# Altium PCB Copy of DIOT_SMA16_.PcbDoc (part 5 of 6) (continued)
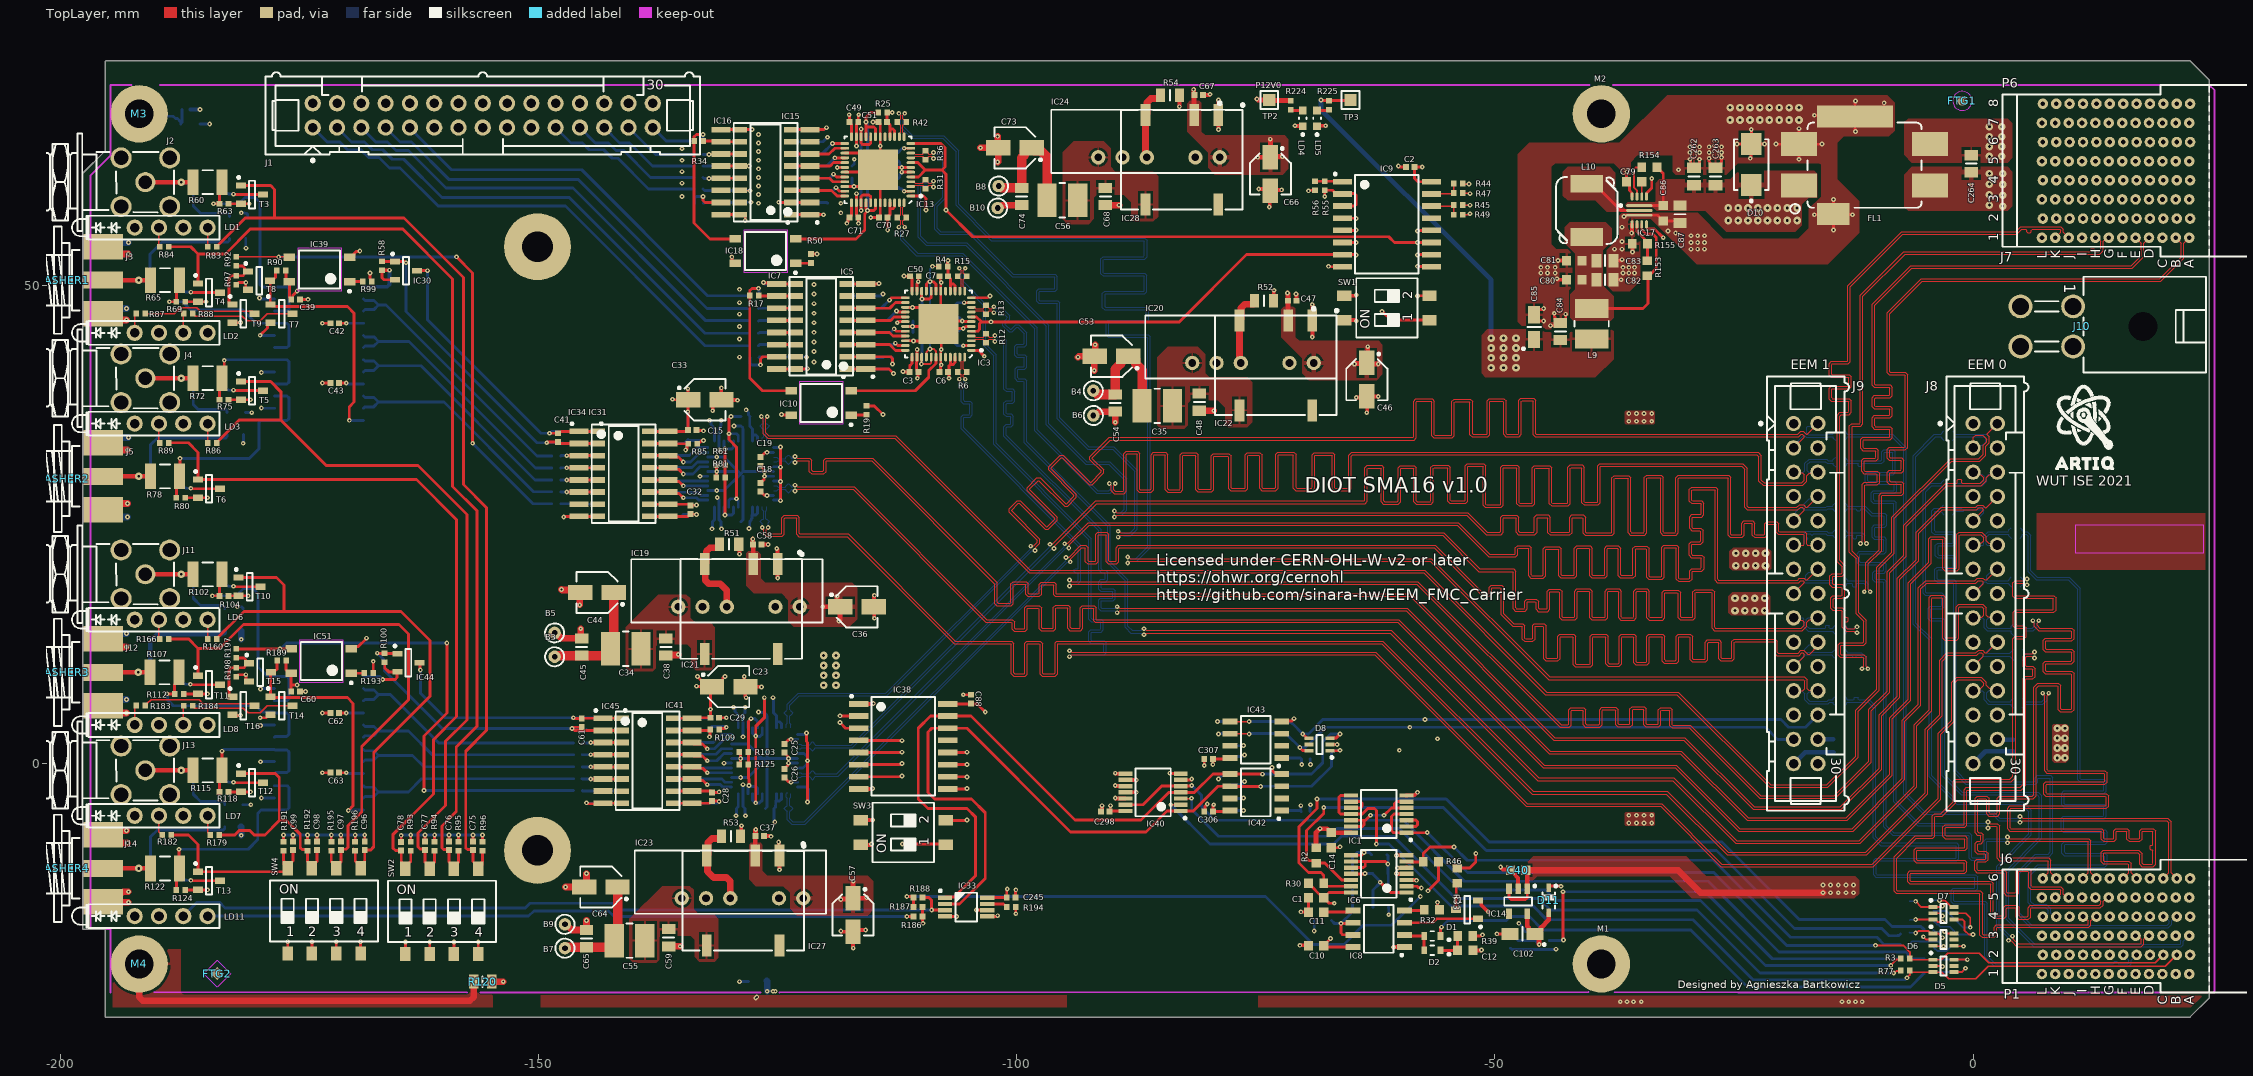
[diagram p0: TopLayer view]
## Nets (pads, with @x,y where several pads share a name; then routed paths per layer and width w, separated by ;. In a path a pad name is that pad's centre, name@x,y a point inside that pad or via, vN(x,y) a via of type N, cw(c..) or ccw(c..) an arc to the next point about the centre after c; other vN are vias at no path point) (continued)
NetIC35_17: IC35.17 IC35.18 R67.1 | length 27.3
  Bottom Layer w0.3: IC35.18@-168.323,43.51 -168.173,43.66 -167.238,43.66 -166.748,44.15 ; IC35.17@-168.323,44.78 -168.173,44.63 -167.228,44.63 -166.748,44.15 ; R67.1@-148.623,30.925 -150.325,30.925 -163.55,44.15 -166.748,44.15
NetIC35_19: IC35.19 IC35.20 R70.1 | length 26.7
  Bottom Layer w0.3: IC35.20@-168.323,40.97 -168.173,41.12 -167.238,41.12 -166.748,41.61 ; IC35.19@-168.323,42.24 -168.173,42.09 -167.228,42.09 -166.748,41.61 ; R70.1@-148.623,29.675 -150.375,29.675 -162.31,41.61 -166.748,41.61
NetIC35_22: IC35.22 IC35.23 R73.1 | length 25.7
  Bottom Layer w0.3: IC35.23@-168.323,37.16 -168.173,37.31 -167.238,37.31 -166.748,37.8 ; IC35.22@-168.323,38.43 -168.173,38.28 -167.228,38.28 -166.748,37.8 ; R73.1@-148.623,28.425 -150.525,28.425 -159.9,37.8 -166.748,37.8
NetIC35_24: IC35.24 R90.1 T7.1 T8.3 | length 26
  TopLayer w0.3: R90.1@-177.373,51.55 -177.513,51.41 -177.513,50.86 -177.873,50.5 T8.3@-178.073,50.5 -178.073,48.05 T7.1@-178.023,48 -177.848,47.825 -177.497,47.825 -177.472,47.8 -170,47.8 -169.3,47.1 -169.3,37.8 -169.8,37.3 v1(-169.8,35.9)
  Bottom Layer w0.3: v1(-169.8,35.9) -169.79,35.89 IC35.24@-168.323,35.89
NetIC36_10: IC36.10 IC37.10 R91.1 | length 3.9
  Bottom Layer w0.3: R91.1@-147.683,27.175 -145.823,27.175 IC37.10@-145.773,27.125 IC36.10@-143.823,27.125
NetIC39_1: IC39.1 R99.1 | length 1.4
  TopLayer w0.3: IC39.1@-169.761,50.405 -168.431,50.405 R99.1@-168.411,50.425
NetIC41_3: IC41.3 IC45.3 IC47.14 IC49.14 R108.2 | length 7.4
  TopLayer w0.3: v1(-144.55,2.206) IC45.3@-143.267,2.206 IC41.3@-141.323,2.205
  Bottom Layer w0.3: R108.2@-145.433,2.175 -143.079,2.175 -143.049,2.205 IC47.14@-141.323,2.205
NetIC41_4: IC41.4 IC45.4 IC47.13 IC49.13 R110.2 | length 7.3
  TopLayer w0.3: v1(-144.55,0.936) IC45.4@-143.267,0.936 IC41.4@-141.323,0.935
  Bottom Layer w0.3: R110.2@-145.433,0.925 -145.423,0.935 IC49.13@-143.273,0.935 IC47.13@-141.323,0.935
NetIC41_5: IC41.5 IC45.5 IC47.12 IC49.12 R113.2 | length 7.3
  TopLayer w0.3: v1(-144.55,-0.334) IC45.5@-143.267,-0.334 IC41.5@-141.323,-0.335
  Bottom Layer w0.3: R113.2@-145.433,-0.325 -145.423,-0.335 IC49.12@-143.273,-0.335 IC47.12@-141.323,-0.335
NetIC41_6: IC41.6 IC45.6 IC47.11 IC49.11 R116.2 | length 7.4
  TopLayer w0.3: v1(-144.55,-1.604) IC45.6@-143.267,-1.604 IC41.6@-141.323,-1.605
  Bottom Layer w0.3: R116.2@-145.463,-1.575 -145.433,-1.605 IC49.11@-143.273,-1.605 IC47.11@-141.323,-1.605
NetIC41_11: IC41.11 IC45.11 IC46.25 | length 6.5
  TopLayer w0.3: IC41.11@-135.923,-1.605 IC45.11@-133.967,-1.604 ; IC45.11@-133.967,-1.604 -133.817,-1.754 -132.819,-1.754 v1(-132.373,-2.2)
  Bottom Layer w0.3: v1(-132.373,-2.2) -130.998,-2.2 -130.748,-2.45 IC46.25@-129.823,-2.45
NetIC41_12: IC41.12 IC45.12 IC46.28 | length 6.3
  TopLayer w0.3: IC41.12@-135.923,-0.335 IC45.12@-133.967,-0.334 ; IC45.12@-133.967,-0.334 -133.817,-0.484 -132.839,-0.484 v1(-132.373,-0.95)
  Bottom Layer w0.3: v1@-132.347,-0.95 IC46.28@-129.823,-0.95
NetIC41_13: IC41.13 IC45.13 IC46.32 | length 6.7
  TopLayer w0.3: IC41.13@-135.923,0.935 IC45.13@-133.967,0.936 ; IC45.13@-133.967,0.936 -133.817,0.786 -132.859,0.786 v1(-132.373,0.3)
  Bottom Layer w0.3: v1(-132.373,0.3) -131.373,0.3 -130.623,1.05 IC46.32@-129.823,1.05
NetIC41_14: IC41.14 IC45.14 IC46.35 | length 6.8
  TopLayer w0.3: IC41.14@-135.923,2.205 IC45.14@-133.967,2.206 ; IC45.14@-133.967,2.206 -133.817,2.056 -132.879,2.056 v1(-132.373,1.55)
  Bottom Layer w0.3: v1(-132.373,1.55) -131.623,1.55 -130.623,2.55 IC46.35@-129.823,2.55
NetIC44_2: IC44.2 IC48.13 R100.2 | length 6.4
  TopLayer w0.3: v1(-166.3,8.8) -165,8.8 -164.8,9 -164.8,9.573 IC44.2@-164.773,9.6 -165.673,9.6 -166.089,10.016 -166.089,10.546 R100.2@-166.123,10.58
  Bottom Layer w0.3: IC48.13@-168.323,9.11 -166.61,9.11 v1(-166.3,8.8)
NetIC46_20: IC46.20 IC46.22 IC46.39 IC46.41 R103.1 R125.1 | length 12.1
  TopLayer w0.3: v1(-128,-2.3) -128,-1.6 -128.06,-1.54 R125.1@-128.06,-0.1 R103.1@-128.06,1.2 -128.06,4.424 -127.8,4.684 v1(-127.8,4.7)
  Bottom Layer w0.3: IC46.22@-128.123,-3.15 -128.123,-2.477 -128,-2.354 v1(-128,-2.3) -127.9,-2.4 -127.299,-2.4 -127.123,-2.576 IC46.20@-127.123,-3.15 ; IC46.39@-128.123,3.75 -128.123,4.377 v1(-127.8,4.7) -127.4,4.7 -127.123,4.423 IC46.41@-127.123,3.75
NetIC46_26: IC46.26 IC47.6 IC49.6 | length 6.2
  Bottom Layer w0.3: IC47.6@-135.923,-1.605 IC49.6@-133.973,-1.605 -133.954,-1.624 -130.824,-1.624 -130.498,-1.95 IC46.26@-129.823,-1.95
NetIC46_29: IC46.29 IC47.5 IC49.5 | length 6.1
  Bottom Layer w0.3: IC47.5@-135.923,-0.335 IC49.5@-133.973,-0.335 -133.858,-0.45 IC46.29@-129.823,-0.45
NetIC46_33: IC46.33 IC47.4 IC49.4 | length 6.4
  Bottom Layer w0.3: IC47.4@-135.923,0.935 IC49.4@-133.973,0.935 -133.934,0.974 -131.449,0.974 -130.873,1.55 IC46.33@-129.823,1.55
NetIC46_36: IC46.36 IC47.3 IC49.3 | length 6.5
  Bottom Layer w0.3: IC47.3@-135.923,2.205 IC49.3@-133.973,2.205 -131.718,2.205 -130.873,3.05 IC46.36@-129.823,3.05
NetIC47_10: IC47.10 IC49.10 R165.2 | length 4.1
  Bottom Layer w0.3: R165.2@-145.433,-2.825 -145.383,-2.875 IC49.10@-143.273,-2.875 IC47.10@-141.323,-2.875
NetIC48_1: IC48.1 IC48.3 R122.2 R124.2 | length 23
  TopLayer w0.3: R124.2@-187.873,-13.2 -187.873,-11.25 R122.2@-187.573,-10.95 -187.623,-10.9 v1(-187.623,-8.95)
  Bottom Layer w0.3: v1(-187.623,-8.95) -180.373,-8.95 -179.373,-7.95 -179.373,-5.2 -179.033,-4.86 IC48.1@-177.623,-4.86 -176.326,-4.86 -176.121,-4.655 -176.121,-2.496 -176.296,-2.32 IC48.3@-177.623,-2.32
NetIC48_4: IC48.4 IC48.6 R115.2 R118.2 | length 15.2
  TopLayer w0.3: R118.2@-183.373,-2.95 -183.373,-0.95 R115.2@-183.123,-0.7 v1(-183.123,1.3)
  Bottom Layer w0.3: v1(-183.123,1.3) -182.933,1.49 IC48.6@-177.623,1.49 -177.542,1.409 -176.299,1.409 -176.123,1.233 -176.123,-0.763 -176.299,-0.939 -177.512,-0.939 IC48.4@-177.623,-1.05
NetIC48_7: IC48.7 IC48.9 R107.2 R112.2 | length 20.9
  TopLayer w0.3: v1(-188.873,7.3) R112.2@-188.063,7.3 -188.063,8.335 -187.623,8.775 R107.2@-187.623,9.55
  Bottom Layer w0.3: v1(-188.873,7.3) -188.823,7.25 -188.823,6.671 -188.202,6.05 -179.547,6.05 -178.878,5.381 -177.704,5.381 -177.622,5.299 -176.299,5.299 -176.123,5.123 -176.123,3.05 -176.35,2.823 -177.56,2.823 IC48.7@-177.623,2.76
NetIC48_10: IC48.10 IC48.12 R102.2 R104.2 | length 23.5
  TopLayer w0.3: v1(-184.123,17.55) R104.2@-183.373,17.55 -183.373,19.55 R102.2@-183.123,19.8
  Bottom Layer w0.3: v1(-184.123,17.55) -181.623,17.55 -180.873,18.3 -179.873,18.3 -179.333,17.76 -179.333,10.12 -178.323,9.11 -176.299,9.11 -176.123,8.934 -176.123,6.746 -176.299,6.57 IC48.10@-177.623,6.57
NetIC48_14: IC48.14 IC48.15 R108.1 | length 26.1
  Bottom Layer w0.3: IC48.15@-168.323,6.57 -168.173,6.72 -167.238,6.72 -166.748,7.21 ; IC48.14@-168.323,7.84 -168.173,7.69 -167.228,7.69 -166.748,7.21 ; R108.1@-146.373,2.175 -160.471,2.175 -165.506,7.21 -166.748,7.21
NetIC48_17: IC48.17 IC48.18 R110.1 | length 25.1
  Bottom Layer w0.3: IC48.18@-168.323,2.76 -168.173,2.91 -167.238,2.91 -166.748,3.4 ; IC48.17@-168.323,4.03 -168.173,3.88 -167.228,3.88 -166.748,3.4 ; R110.1@-146.373,0.925 -161.123,0.925 -163.598,3.4 -166.748,3.4
NetIC48_19: IC48.19 IC48.20 R113.1 | length 24.5
  Bottom Layer w0.3: IC48.20@-168.323,0.22 -168.173,0.37 -167.238,0.37 -166.748,0.86 ; IC48.19@-168.323,1.49 -168.173,1.34 -167.228,1.34 -166.748,0.86 ; R113.1@-146.373,-0.325 -161.998,-0.325 -163.183,0.86 -166.748,0.86
NetIC48_22: IC48.22 IC48.23 R116.1 | length 24.6
  Bottom Layer w0.3: IC48.23@-168.323,-3.59 -168.173,-3.44 -167.238,-3.44 -166.748,-2.95 ; IC48.22@-168.323,-2.32 -168.173,-2.47 -167.228,-2.47 -166.748,-2.95 ; R116.1@-146.373,-1.575 -162.248,-1.575 -163.623,-2.95 -166.748,-2.95
NetIC48_24: IC48.24 R189.1 T14.1 T15.3 | length 26.2
  TopLayer w0.3: R189.1@-177.343,10.8 -177.343,9.901 -177.519,9.725 -177.798,9.725 -178.023,9.5 T14.1@-178.023,7 -177.923,6.9 -170,6.9 -169.4,6.3 -169.4,-4.4 v1(-169.9,-4.9)
  Bottom Layer w0.3: v1(-169.9,-4.9) -169.86,-4.86 IC48.24@-168.323,-4.86
NetIC51_1: IC51.1 R193.1 | length 1.4
  TopLayer w0.3: IC51.1@-169.58,9.455 -168.25,9.455 R193.1@-168.23,9.475
NetJ1_1: J1.1 R7.1 | length 55.1
  Bottom Layer w0.3: J1.1@-173.623,66.51 -172.113,65 -170.8,65 -170,64.2 -168.6,64.2 -167.8,63.4 -166.7,63.4 -165.6,62.3 -164.5,62.3 -160.5,58.3 -147.2,58.3 -132.6,43.7 R7.1@-127.94,43.7
NetJ1_3: J1.3 R8.1 | length 52.1
  Bottom Layer w0.3: J1.3@-171.083,66.51 -169.573,65 -168.2,65 -167.4,64.2 -166.3,64.2 -165.3,63.2 -164.1,63.2 -160.1,59.2 -146.8,59.2 -132.6,45 R8.1@-127.94,45
NetJ1_5: J1.5 R9.1 | length 49
  Bottom Layer w0.3: J1.5@-168.543,66.51 -167.033,65 -165.8,65 -164.9,64.1 -163.6,64.1 -159.7,60.2 -146.4,60.2 -132.52,46.32 R9.1@-127.94,46.32
NetJ1_7: J1.7 R10.1 | length 45.9
  Bottom Layer w0.3: J1.7@-166.003,66.51 -164.493,65 -163.3,65 -159.4,61.1 -145.9,61.1 -132.4,47.6 R10.1@-127.94,47.6
NetJ1_9: J1.9 R11.1 | length 42.9
  Bottom Layer w0.3: J1.9@-163.463,66.51 -163.463,66.436 -159.127,62.1 -145.5,62.1 -132.329,48.929 R11.1@-127.881,48.929
NetJ1_21: J1.21 R20.1 | length 17.1
  Bottom Layer w0.3: J1.21@-148.223,66.51 -146.613,64.9 -145.4,64.9 -144.7,64.2 -143.2,64.2 -142.3,63.3 -141.7,63.3 -138.5,60.1 -134.5,60.1 R20.1@-133.74,60.1
NetJ1_23: J1.23 R21.1 | length 14.1
  Bottom Layer w0.3: J1.23@-145.683,66.51 -144.073,64.9 -142.7,64.9 -141.9,64.1 -141.1,64.1 -138.3,61.3 -134.6,61.3 R21.1@-133.74,61.3
NetJ1_25: J1.25 R22.1 | length 11.1
  Bottom Layer w0.3: J1.25@-143.143,66.51 -141.533,64.9 -140.5,64.9 -138.1,62.5 -134.6,62.5 R22.1@-133.74,62.5
NetJ1_27: J1.27 R23.1 | length 8
  Bottom Layer w0.3: J1.27@-140.603,66.51 -137.793,63.7 -134.6,63.7 R23.1@-133.74,63.7
NetJ1_29: J1.29 R24.1 | length 4.9
  Bottom Layer w0.3: J1.29@-138.063,66.51 -136.653,65.1 R24.1@-133.74,65.1
NetLD2_1: LD2.1 R87.2 | length 2.1
  TopLayer w0.15: LD2.1@-192.243,45.05 -192.243,46.902 R87.2@-192.088,47.057
NetLD2_3: LD2.3 R88.2 | length 2
  TopLayer w0.15: LD2.3@-187.163,45.05 -187.163,47.01 R88.2@-187.123,47.05
NetLD4_2: LD4.2 R224.1 | length 1.3
  TopLayer w0.3: R224.1@-71.35,68.4 -71.25,68.3 LD4.2@-70.1,68.3
NetLD5_2: LD5.2 R225.1 | length 1.3
  TopLayer w0.3: LD5.2@-68.6,68.3 -67.45,68.3 R225.1@-67.35,68.4
NetLD8_1: LD8.1 R183.2 | length 2.1
  TopLayer w0.15: LD8.1@-192.243,4.05 -192.243,5.902 R183.2@-192.088,6.057
NetLD8_3: LD8.3 R184.2 | length 2
  TopLayer w0.15: LD8.3@-187.163,4.05 -187.163,6.01 R184.2@-187.123,6.05
NetLD11_4: LD11.4 R186.1 | length 74.3
  TopLayer w0.3: v1(-111.5,-16) R186.1@-110.8,-16
  Bottom Layer w0.3: LD11.4@-184.623,-15.95 -151.05,-15.95 -150.5,-15.4 -142.7,-15.4 -142.1,-16 v1(-111.5,-16)
NetR1_1: R1.1 T2.3 | length 44.8
  TopLayer w0.3: v1(-42.88,-13.4) -42.9,-13.42 -42.9,-18.223 -42.871,-18.253 -42.871,-18.394 v1(-42.832,-18.432)
  Bottom Layer w0.3: T2.3@-44.325,-18.5 -42.954,-18.5 -42.886,-18.432 v1(-42.832,-18.432) ; v1(-42.88,-13.4) -28,-13.4 -21,-20.4 R1.1@-7.6,-20.4
NetR33_1: R33.1 T1.3 | length 2.8
  TopLayer w0.3: T1.3@-54.05,-15.275 -54.05,-12.625 R33.1@-53.95,-12.525
NetR62_1: R62.1 T3.3 | length 5.2
  TopLayer w0.3: v1(-181.923,59.55) -181.873,59.55 -181.823,59.5 T3.3@-178.873,59.5
  Bottom Layer w0.3: R62.1@-183.123,60.8 -183.123,60.025 -182.698,59.6 -182.473,59.6 -182.423,59.55 v1(-181.923,59.55)
NetR68_1: R68.1 T4.3 | length 5.2
  TopLayer w0.3: v1(-186.373,49.3) -186.323,49.3 -186.273,49.25 T4.3@-183.323,49.25
  Bottom Layer w0.3: R68.1@-187.573,50.55 -187.573,49.775 -187.148,49.35 -186.923,49.35 -186.873,49.3 v1(-186.373,49.3)
NetR74_1: R74.1 T5.3 | length 5.2
  TopLayer w0.3: v1(-181.923,39.05) -181.873,39.05 -181.823,39 T5.3@-178.873,39
  Bottom Layer w0.3: R74.1@-183.123,40.3 -183.123,39.525 -182.698,39.1 -182.473,39.1 -182.423,39.05 v1(-181.923,39.05)
NetR79_1: R79.1 T6.3 | length 5.2
  TopLayer w0.3: v1(-186.373,28.8) -186.323,28.8 -186.273,28.75 T6.3@-183.323,28.75
  Bottom Layer w0.3: R79.1@-187.573,30.05 -187.573,29.275 -187.148,28.85 -186.923,28.85 -186.873,28.8 v1(-186.373,28.8)
NetR87_1: R87.1 T9.3 | length 11.9
  TopLayer w0.15: R87.1@-191.148,47.057 -191.14,47.05 -188.123,47.05 -187.499,47.674 -185.746,47.674 -185.373,47.3 -179.973,47.3 T9.3@-179.723,47.05
NetR88_1: R88.1 T7.3 | length 11.1
  TopLayer w0.15: R88.1@-186.183,47.05 -186.183,47.03 -185.968,46.815 -185.895,46.815 -185.88,46.8 -180.974,46.8 -180.474,46.3 -179.123,46.3 -178.373,47.05 T7.3@-175.723,47.05
NetR92_1: R92.1 R97.2 T8.1 T9.1 | length 6.8
  TopLayer w0.3: T9.1@-182.023,48 -182.198,48 -182.373,48.175 -182.373,50.8 -182.153,51.02 R97.2@-181.623,51.02 -180.924,51.02 -180.748,51.196 -180.748,51.275 T8.1@-180.573,51.45 ; R92.1@-181.623,52.05 -180.973,52.05 -180.748,51.825 -180.748,51.625 T8.1@-180.573,51.45 ; T8.1@-180.373,51.45 T8.1@-180.573,51.45
NetR105_1: R105.1 T10.3 | length 5.2
  TopLayer w0.3: v1(-181.923,18.55) -181.873,18.55 -181.823,18.5 T10.3@-178.873,18.5
  Bottom Layer w0.3: R105.1@-183.123,19.8 -183.123,19.025 -182.698,18.6 -182.473,18.6 -182.423,18.55 v1(-181.923,18.55)
NetR111_1: R111.1 T11.3 | length 5.2
  TopLayer w0.3: v1(-186.423,8.3) -186.373,8.3 -186.323,8.25 T11.3@-183.373,8.25
  Bottom Layer w0.3: R111.1@-187.623,9.55 -187.623,8.775 -187.198,8.35 -186.973,8.35 -186.923,8.3 v1(-186.423,8.3)
NetR117_1: R117.1 T12.3 | length 5.2
  TopLayer w0.3: v1(-181.923,-1.95) -181.873,-1.95 -181.823,-2 T12.3@-178.873,-2
  Bottom Layer w0.3: R117.1@-183.123,-0.7 -183.123,-1.475 -182.698,-1.9 -182.473,-1.9 -182.423,-1.95 v1(-181.923,-1.95)
NetR123_1: R123.1 T13.3 | length 5.2
  TopLayer w0.3: v1(-186.373,-12.2) -186.323,-12.2 -186.273,-12.25 T13.3@-183.323,-12.25
  Bottom Layer w0.3: R123.1@-187.573,-10.95 -187.573,-11.725 -187.148,-12.15 -186.923,-12.15 -186.873,-12.2 v1(-186.373,-12.2)
NetR183_1: R183.1 T16.3 | length 11.9
  TopLayer w0.15: R183.1@-191.148,6.057 -191.148,6.077 -190.933,6.292 -190.913,6.292 -190.534,6.671 -185.494,6.671 -185.099,6.277 -179.949,6.277 T16.3@-179.723,6.05
NetR184_1: R184.1 T14.3 | length 11.1
  TopLayer w0.15: R184.1@-186.183,6.05 -186.183,6.03 -185.968,5.815 -185.948,5.815 -185.933,5.8 -180.873,5.8 -180.373,5.3 -179.123,5.3 -178.373,6.05 T14.3@-175.723,6.05
NetR197_1: R197.1 R198.2 T15.1 T16.1 | length 7
  TopLayer w0.3: T16.1@-182.023,7 -182.198,7 -182.373,7.175 -182.373,9.8 -182.153,10.02 R198.2@-181.623,10.02 -180.824,10.02 -180.648,10.196 -180.648,10.325 T15.1@-180.473,10.5 ; R197.1@-181.623,11.05 -180.824,11.05 -180.648,10.874 -180.648,10.675 T15.1@-180.473,10.5 ; T15.1@-180.273,10.5 T15.1@-180.473,10.5
P3V3: C3.2 C4.2 C5.2 C6.2 C7.2 C15.2 C16.2 C17.2 C18.2 C19.2 C20.2 C21.2 C22.2 C23.1 C24.2 C25.2 C26.2 C27.2 C28.2 C29.2 C30.2 C31.2 C32.2 C33.1 C49.2 C50.2 C51.2 C52.2 C69.2 C70.2 C71.2 C72.2 C84.2 C85.1 C298.2 IC2.10 IC2.16 IC3.2 IC3.11 IC3.15 IC3.16 IC3.24 IC3.30 IC3.37 IC3.45 IC3.46 IC4.10 IC4.16 IC5.1 IC7.1 IC11.10 IC11.16 IC12.10 IC12.16 IC13.2 IC13.11 IC13.15 IC13.16 IC13.24 IC13.30 IC13.37 IC13.45 IC13.46 IC15.1 IC16.1 IC31.10 IC31.16 IC32.2 IC32.11 IC32.15 IC32.16 IC32.24 IC32.30 IC32.37 IC32.45 IC32.46 IC34.10 IC34.16 IC36.1 IC37.1 IC40.14 IC41.10 IC41.16 IC45.10 IC45.16 IC46.2 IC46.11 IC46.15 IC46.16 IC46.24 IC46.30 IC46.37 IC46.45 IC46.46 IC47.1 IC49.1 L9.2 R4.2 R19.2 R25.2 R50.2 R59.2 R99.2 R101.2 R193.2 R225.2 TP3.1 | length 179.5
  TopLayer w0.3: v1(-167.623,51.3) -167.623,50.761 -167.611,50.749 -167.611,50.565 R99.2@-167.471,50.425 ; v1(-167.3,10.7) -167.29,10.69 R193.2@-167.29,9.475 ; IC31.10@-138.423,27.125 IC34.10@-136.473,27.125 -134.248,27.125 C32.2@-134.123,27 -134.098,27.025 -133.523,27.025 v1(-133.498,27.05) ; IC31.16@-138.423,34.745 IC34.16@-136.473,34.745 -134.503,34.745 C15.2@-134.373,34.875 -134.373,36.773 v1(-134.4,36.8) -134.373,36.827 C33.1@-134.373,38.05 ; v1(-136,38.1) -135.95,38.05 C33.1@-134.373,38.05 ; IC41.10@-135.923,-2.875 IC45.10@-133.967,-2.874 ; IC41.16@-135.923,4.745 IC45.16@-133.967,4.746 ; v1(-134.4,39.2) -134.373,39.173 C33.1@-134.373,38.05 ; IC45.10@-133.967,-2.874 -131.999,-2.874 C28.2@-131.873,-3 -131.173,-3 v1(-131.123,-2.95) ; IC45.16@-133.967,4.746 -133.912,4.8 C29.2@-132.023,4.8 v1(-132.023,5.684) -132.023,7.9 C23.1@-131.873,8.05 ; v1(-133.5,8.1) -133.45,8.05 C23.1@-131.873,8.05 ; v1(-133.4,9.1) -133,8.7 -132.523,8.7 C23.1@-131.873,8.05 ; v1(-130.5,9.1) -130.572,9.1 -130.748,8.924 -130.748,8.7 -131.398,8.05 C23.1@-131.873,8.05 ; C18.2@-126.8,28.45 -126.438,28.088 -126.161,28.088 v1(-126.123,28.05) ; C19.2@-126.8,32.05 -126.338,32.512 -126.161,32.512 v1(-126.123,32.55) ; C26.2@-124.3,-1.45 -123.838,-1.912 -123.661,-1.912 v1(-123.623,-1.95) ; C25.2@-124.3,2.05 -123.838,2.512 -123.661,2.512 v1(-123.623,2.55) ; IC15.1@-123.576,57.405 IC16.1@-121.626,57.405 -120.205,57.405 v1(-120.2,57.4) ; R50.2@-121.526,53.29 -120.91,53.29 v1(-120.9,53.3) ; v1(-118.776,62.35) IC13.30@-117.976,62.35 ; v1(-117.776,56.5) -117.636,56.64 -117.636,56.94 -117.276,57.3 IC13.37@-117.276,58.65 ; IC5.1@-117.749,41.272 -113.372,41.272 v1(-112.9,40.8) ; v1(-117.526,67.85) -117.476,67.8 C49.2@-117.476,67.1 -117.276,66.9 IC13.24@-117.276,65.55 ; R19.2@-115.699,37.407 -115.692,37.4 -114.9,37.4 v1(-114,36.5) ; C70.2@-113.551,57.125 -113.276,57.4 -113.276,58.025 ; C70.2@-113.526,57.1 -113.526,55.826 v1(-113.5,55.8) ; IC13.45@-113.276,58.65 -113.276,58.025 ; IC13.16@-113.276,65.55 -113.276,66.379 ; v1(-113.026,68.1) R25.2@-113.556,68.1 -113.576,68.08 C51.2@-113.576,67.1 -113.276,66.8 -113.276,66.379 ; IC13.46@-112.776,58.65 -112.776,58.201 -112.951,58.025 -113.276,58.025 ; IC13.15@-112.776,65.55 -112.776,66.174 -112.951,66.35 -113.246,66.35 -113.276,66.379 ; v1(-112.5,46.1) -112.383,46.217 IC3.30@-111.649,46.217 ; v1(-111.9,41) -111.867,40.967 C3.2@-111.199,40.967 -111.2,40.968 -111.2,41.6 -110.949,41.851 IC3.37@-110.949,42.517 ; v1(-111.8,51) -111.767,50.967 C50.2@-111.149,50.967 -110.949,50.767 IC3.24@-110.949,49.417 ; v1(-111.776,59.85) IC13.2@-111.076,59.85 ; v1(-111.776,64.35) IC13.11@-111.076,64.35 ; v1(-107.2,52.6) -107.229,52.571 R4.2@-107.229,51.967 -107.199,51.937 C7.2@-107.199,50.967 -106.949,50.717 -106.949,50.067 ; v1(-107.1,40.3) -107.1,40.868 C6.2@-107.199,40.967 -107.1,41.065 -107.1,41.6 -106.949,41.751 ; IC3.45@-106.949,42.517 -106.949,41.751 ; IC3.16@-106.949,49.417 -106.949,50.067 ; IC3.46@-106.449,42.517 -106.449,41.951 -106.649,41.751 -106.949,41.751 ; IC3.15@-106.449,49.417 -106.449,49.967 -106.624,50.142 -106.873,50.142 -106.949,50.067 ; v1(-105.6,43.7) -105.583,43.717 IC3.2@-104.749,43.717 ; v1(-105.5,48.2) -105.065,48.2 -105.049,48.217 IC3.11@-104.749,48.217 ; C298.2@-90.3,-5 C298.2@-90.25,-4.95 ; v1(-90.2,-4.4) -90.222,-4.422 -90.222,-4.922 C298.2@-90.25,-4.95 ; IC40.14@-88.65,-4.95 C298.2@-90.25,-4.95 ; v1(-68.2,69.4) -68.14,69.34 R225.2@-67.35,69.34 -65.16,69.34 TP3.1@-65.1,69.4
  Bottom Layer w0.3: IC36.1@-138.423,34.745 IC37.1@-136.473,34.745 -134.428,34.745 C22.2@-134.373,34.8 -134.4,34.827 v1(-134.4,36.8) ; IC47.1@-135.923,4.745 IC49.1@-133.973,4.745 -131.928,4.745 C30.2@-131.873,4.8 -132.023,4.95 v1(-132.023,5.684) ; v1(-133.123,30.05) IC32.30@-132.323,30.05 ; v1(-132.123,35.9) -131.983,35.76 -131.983,35.46 C21.2@-131.823,35.3 -131.623,35.1 IC32.37@-131.623,33.75 ; v1(-131.873,24.55) -131.823,24.6 C16.2@-131.823,25.3 -131.623,25.5 IC32.24@-131.623,26.85 ; v1(-130.623,0.05) IC46.30@-129.823,0.05 ; v1(-129.623,5.9) -129.483,5.76 -129.483,5.46 C31.2@-129.323,5.3 -129.123,5.1 IC46.37@-129.123,3.75 ; v1(-129.373,-5.45) -129.323,-5.4 C24.2@-129.323,-4.7 -129.123,-4.5 IC46.24@-129.123,-3.15 ; v1(-128.3,37) -128.3,36.981 -128.043,36.724 -128.043,36.44 R59.2@-127.903,36.3 -127.923,36.28 C20.2@-127.923,35.3 -127.623,35 -127.623,34.375 ; v1(-128,24.6) -127.923,24.677 C17.2@-127.923,25.3 -127.763,25.46 -127.763,25.573 -127.7,25.636 -127.7,26 ; IC32.16@-127.623,26.85 -127.623,26.077 -127.7,26 ; IC32.45@-127.623,33.75 -127.623,34.375 ; IC32.15@-127.123,26.85 -127.123,26.177 -127.3,26 -127.7,26 ; IC32.46@-127.123,33.75 -127.123,34.199 -127.299,34.375 -127.623,34.375 ; v1(-126.123,28.05) IC32.11@-125.423,28.05 ; v1(-126.123,32.55) IC32.2@-125.423,32.55 ; v1(-125.5,6.9) -125.433,6.833 R101.2@-125.433,6.3 -125.423,6.29 C27.2@-125.423,5.3 -125.123,5 -125.123,4.375 ; v1(-125.3,-6.1) -125.373,-6.027 C69.2@-125.373,-4.7 -125.213,-4.54 -125.213,-4.377 -125.2,-4.364 -125.2,-3.9 ; IC46.16@-125.123,-3.15 -125.123,-3.823 -125.2,-3.9 ; IC46.45@-125.123,3.75 -125.123,4.375 ; IC46.15@-124.623,-3.15 -124.623,-3.724 -124.799,-3.9 -125.2,-3.9 ; IC46.46@-124.623,3.75 -124.623,4.199 -124.799,4.375 -125.123,4.375 ; v1(-123.623,-1.95) IC46.11@-122.923,-1.95 ; v1(-123.623,2.55) IC46.2@-122.923,2.55 ; IC11.16@-123.576,57.405 IC12.16@-121.626,57.405 -120.205,57.405 v1(-120.2,57.4) ; IC11.10@-123.576,65.025 IC12.10@-121.626,65.025 -120.275,65.025 v1(-119.8,65.5) ; IC2.16@-117.749,41.272 -113.372,41.272 v1(-112.9,40.8) ; IC2.10@-117.749,48.892 IC4.10@-115.799,48.892 -114.208,48.892 v1(-114,49.1) ; C72.2@-112.401,60.275 -112.241,60.115 -112.041,60.115 v1(-111.776,59.85) ; C52.2@-112.401,63.925 -112.014,64.312 -111.814,64.312 v1(-111.776,64.35) ; C5.2@-106.449,43.967 -106.182,43.7 v1(-105.6,43.7) ; C4.2@-106.449,47.967 -106.215,48.2 v1(-105.5,48.2)
  Bottom Layer w0.5: v1(-68.2,69.4) -68.2,68.4 -50.4,50.6 v2(-50.4,44.5)
  other v2: -50.4,41.4 -49.1,41.4 -47.8,41.4 -50.4,42.433 -49.1,42.433 -47.8,42.433 -50.4,43.467 -49.1,43.467 -47.8,43.467 -49.1,44.5 -47.8,44.5
P3V3_DIOT: C1.2 C10.2 C14.2 C102.1 D11.2 IC1.14 IC6.2 IC6.14 IC8.8 IC14.5 R2.1 R28.2 R30.1 R32.1 R39.1 R40.2 R46.1 | length 34.6
  TopLayer w0.3: R30.1@-69.5,-12.525 -69.5,-12.575 -69.2,-12.875 -69.142,-12.875 -68.342,-13.675 -68.225,-13.675 C1.2@-67.9,-14 ; C1.2@-67.9,-14.05 -67.675,-14.275 -67.65,-14.275 -67.325,-14.6 v1(-66.8,-14.6) ; C1.2@-67.9,-14.025 C1.2@-67.9,-14 ; v1(-67.2,-18.3) -67.575,-18.675 -67.9,-19 C10.2@-67.9,-19.025 -67.745,-19.18 IC8.8@-64.85,-19.18 ; IC6.14@-65.05,-13.475 -67.35,-13.475 -67.55,-13.675 -67.575,-13.675 C1.2@-67.9,-14 ; IC6.2@-59.25,-12.825 -58.172,-12.825 -58.035,-12.962 -57.738,-12.962 v1(-57.7,-13) ; v1(-57,-13.3) -55.9,-12.2 R46.1@-55.9,-10.275 ; v1(-55.999,-14.501) -55.999,-15.076 R32.1@-55.8,-15.275 ; R39.1@-52.3,-18.025 -51.425,-18.025 v1(-51.3,-17.9)
  TopLayer w0.5: R2.1@-68.7,-8.8 -68.7,-7.2 v1(-68.3,-6.8) -67.525,-6.8 -67.1,-7.225 IC1.14@-65.05,-7.225 ; IC14.5@-46.625,-15.702 -46.625,-17 -46.475,-17.15 -46.475,-17.425 -46.1,-17.8 C102.1@-45.775,-17.8 ; v1(-45.361,-18.916) -45.396,-18.882 -45.396,-18.175 -45.771,-17.8 C102.1@-45.775,-17.8 ; D11.2@-44.375,-15.6 -44.375,-16.35 -45.175,-17.15 -45.175,-17.425 -45.55,-17.8 C102.1@-45.775,-17.8
  Bottom Layer w0.3: R28.2@-61.15,-15.025 -61.101,-15.074 v1@-61.101,-15.799 ; R40.2@-48.375,-17.7 -48.325,-17.7 -48.025,-18 -48.025,-18.05 -47.575,-18.5 -45.778,-18.5 v1(-45.361,-18.916)
  other v1: -61.1,-15.8
P3V3_MP: C2.2 C88.2 C219.2 C245.2 C306.2 D11.1 IC9.2 IC9.3 IC9.16 IC25.8 IC33.8 IC38.2 IC38.3 IC38.16 IC42.8 J8.30 R55.1 R186.2 R187.2 | length 30.4
  TopLayer w0.3: v1(-118.5,4.3) -117.905,3.705 IC38.3@-116.523,3.705 ; v1(-118.5,5) -118.475,4.975 IC38.2@-116.523,4.975 ; R187.2@-109.86,-15 R186.2@-109.86,-16 -109.86,-16.64 v1(-109.8,-16.7) ; IC38.16@-107.223,6.245 -104.145,6.245 v1(-103.3,5.4) ; IC33.8@-103.1,-14.025 -103.075,-14 C245.2@-101.05,-14 -101.05,-13.15 v1(-101,-13.1) ; v1(-79.4,-4.3) -79.5,-4.4 C306.2@-79.5,-5 -77.795,-5 IC42.8@-77.7,-4.905 ; v1(-67.8,59.3) R55.1@-67.8,59.96 -66.976,59.96 -66.8,59.784 -66.8,59.725 -66.65,59.575 IC9.2@-65.95,59.575 -65.925,59.6 -64.7,59.6 -64.5,59.4 -64.5,58.481 -64.676,58.305 IC9.3@-65.95,58.305 ; v1(-57.6,62.4) C2.2@-58.4,62.4 -58.4,61.2 -58.199,60.999 -58.045,60.845 IC9.16@-56.65,60.845 ; D11.1@-44.375,-13 -44.375,-12.9 -44.275,-12.8 -43.12,-12.8 v1(-43.1,-12.82)
  Bottom Layer w0.3: IC25.8@-72.3,-4.905 -70.345,-4.905 C219.2@-70.3,-4.95 ; v1(-70.3,-4.4) C219.2@-70.3,-4.95 ; C219.2@-70.25,-5 C219.2@-70.3,-4.95
  other v1: -36,-6.2 -35.2,-6.2 -34.4,-6.2 -33.6,-6.2 -36,-5.4 -35.2,-5.4 -34.4,-5.4 -33.6,-5.4 -36,35.8 -35.2,35.8 -34.4,35.8 -33.6,35.8 -36,36.6 -35.2,36.6 -34.4,36.6 -33.6,36.6
P3V3_MP2: C220.2 C307.2 IC26.8 IC43.8 J9.30 | length 71.8
  TopLayer w0.3: v1(-79.5,-0.1) C307.2@-79.5,0.5 -77.795,0.5 IC43.8@-77.7,0.595
  MidLayer2 w1: v1(-79.5,-0.1) -75.1,-0.1 -74.4,0.6 -70.9,0.6 v1(-70.2,-0.1) -70.2,-1.214 -69.614,-1.8 -16.855,-1.8 -16.269,-1.214 -16.269,-0.04 J9.30@-16.23,-0.001
  Bottom Layer w0.3: IC26.8@-72.3,0.595 -70.345,0.595 C220.2@-70.25,0.5 -70.216,0.466 -70.216,-0.084 v1(-70.2,-0.1)
P5V0_ISO1: B3.1 C34.1 C39.2 C41.2 C42.2 C43.2 C44.1 C45.2 D4.4 D9.4 IC30.3 IC31.1 IC34.1 IC35.16 IC35.21 IC36.16 IC37.16 IC39.6 LD2.2 LD2.4 R90.2 SW2.1 SW2.2 SW2.3 SW2.4 | length 103.4
  TopLayer w0.3: R90.2@-176.433,51.55 -176.433,50.655 -176.183,50.405 IC39.6@-176.061,50.405 -176.061,48.738 C39.2@-175.873,48.55 -175.713,48.71 -175.713,48.96 v1(-175.248,49.425) ; C43.2@-170.873,39.8 v1(-170.123,39.8) ; C42.2@-170.873,46.05 v1(-170.123,46.05) ; SW2.1@-163.933,-19.9 v1(-163.933,-18.667) ; IC30.3@-162.723,51.55 v1(-161.623,51.55) ; SW2.2@-161.393,-19.9 v1(-161.393,-18.667) ; SW2.3@-158.853,-19.9 v1(-158.853,-18.667) ; SW2.4@-156.313,-19.9 v1(-156.313,-18.667) ; v1(-148.873,34.55) C41.2@-147.993,34.55 -147.833,34.71 -147.692,34.71 -147.657,34.745 IC34.1@-145.773,34.745 IC31.1@-143.823,34.745
  TopLayer w1: B3.1@-148.328,11.175 -148.247,11.175 -148.122,11.3 C45.2@-145.5,11.3 -143,11.3 -142.5,11.8 C34.1@-142.5,12 -142.15,12.35 C44.1@-142.15,17.9
  Layer 1 w0.3: v1(-163.933,-18.667) v1(-161.393,-18.667) v1(-158.853,-18.667) v1(-156.313,-18.667) -154.366,-16.72 -154.366,-6.945 -148.328,-0.907 B3.1@-148.328,11.175
  Bottom Layer w0.3: v1(-181.1,57.6) -180.823,57.6 -180.773,57.55 -180.573,57.55 -180.423,57.4 D4.4@-180.423,57.2 ; D9.4@-180.673,36.7 v1(-180,36.7) ; v1(-170.123,39.8) -170.069,39.8 -169.969,39.7 IC35.21@-168.323,39.7 ; v1(-170.123,46.05) IC35.16@-168.323,46.05 ; v1(-161.623,51.55) -161.623,46.423 -149.75,34.55 v1(-148.873,34.55) -148.819,34.55 -148.624,34.745 IC37.16@-145.773,34.745 IC36.16@-143.823,34.745

## Text inside footprints (layer, text, board x,y; h text height)
J7: TopOverlay "7" at 2.646,66.65 h1 r90; TopOverlay "8" at 2.646,68.65 h1 r90; TopOverlay "6" at 2.646,64.65 h1 r90; TopOverlay "5" at 2.646,62.65 h1 r90; TopOverlay "4" at 2.646,60.65 h1 r90; TopOverlay "3" at 2.646,58.65 h1 r90; TopOverlay "2" at 2.646,56.65 h1 r90; TopOverlay "1" at 2.646,54.65 h1 r90; TopOverlay "L" at 7.696,52.8 h1 r90; TopOverlay "K" at 9.096,52.8 h1 r90; TopOverlay "J" at 10.496,52.8 h1 r90; TopOverlay "I" at 11.896,53.05 h1 r90; TopOverlay "H" at 13.296,52.8 h1 r90; TopOverlay "G" at 14.696,52.8 h1 r90; TopOverlay "F" at 16.096,52.8 h1 r90; TopOverlay "E" at 17.496,52.8 h1 r90; TopOverlay "D" at 18.896,52.8 h1 r90; TopOverlay "C" at 20.296,51.8 h1 r90; TopOverlay "B" at 21.696,51.8 h1 r90; TopOverlay "A" at 23.096,51.8 h1 r90; Drill Drawing "Diam. 0.5mm +/-0.05" at 23.346,73 h1 r180; Drill Drawing "PRESS-FIT TECHNOLOGY" at 23.346,71.5 h1 r180; Mechanical 14 "7" at 2.646,66.65 h1 r90; Mechanical 14 "8" at 2.646,68.65 h1 r90; Mechanical 14 "6" at 2.646,64.65 h1 r90; Mechanical 14 "5" at 2.646,62.65 h1 r90; Mechanical 14 "4" at 2.646,60.65 h1 r90; Mechanical 14 "3" at 2.646,58.65 h1 r90; Mechanical 14 "2" at 2.646,56.65 h1 r90; Mechanical 14 "1" at 2.646,54.65 h1 r90; Mechanical 14 "L" at 7.696,52.8 h1 r90; Mechanical 14 "K" at 9.096,52.8 h1 r90; Mechanical 14 "J" at 10.496,52.8 h1 r90; Mechanical 14 "I" at 11.896,53.05 h1 r90; Mechanical 14 "H" at 13.296,52.8 h1 r90; Mechanical 14 "G" at 14.696,52.8 h1 r90; Mechanical 14 "F" at 16.096,52.8 h1 r90; Mechanical 14 "E" at 17.496,52.8 h1 r90; Mechanical 14 "D" at 18.896,52.8 h1 r90; Mechanical 14 "C" at 20.296,51.8 h1 r90; Mechanical 14 "B" at 21.696,51.8 h1 r90; Mechanical 14 "A" at 23.096,51.8 h1 r90; Mechanical 8 "Edge of Daugher Card" at 25.446,58.775 h0.5 r90; Mechanical 8 "Top Surface of Mother Board" at 36.946,57.625 h0.5 r90
J8: TopOverlay "30" at 3.937,0.635 h1.02 r270; Mechanical 14 "30" at 3.937,0.635 h1.02 r270
J9: TopOverlay "30" at -14.833,0.634 h1.02 r270; Mechanical 14 "30" at -14.833,0.634 h1.02 r270
J10: TopOverlay "1" at 9.512,50.192 h1.2 r270; Mechanical 14 "1" at 9.512,50.192 h1.2 r270
SW1: TopOverlay "ON" at -63.078,45.491 h1 r90; TopOverlay "2" at -58.633,48.539 h1 r90; TopOverlay "1" at -58.633,46.253 h1 r90; Mechanical 14 "ON" at -63.078,45.491 h1 r90; Mechanical 14 "2" at -58.633,48.539 h1 r90; Mechanical 14 "1" at -58.633,46.253 h1 r90
SW2: TopOverlay "1" at -164.06,-18.117 h1; TopOverlay "2" at -161.774,-18.117 h1; TopOverlay "ON" at -164.822,-13.672 h1; TopOverlay "3" at -159.234,-18.117 h1; TopOverlay "4" at -156.694,-18.117 h1; Mechanical 14 "1" at -164.06,-18.117 h1; Mechanical 14 "2" at -161.774,-18.117 h1; Mechanical 14 "ON" at -164.822,-13.672 h1; Mechanical 14 "3" at -159.234,-18.117 h1; Mechanical 14 "4" at -156.694,-18.117 h1
SW3: TopOverlay "1" at -109.206,-8.597 h1 r90; TopOverlay "2" at -109.206,-6.311 h1 r90; TopOverlay "ON" at -113.651,-9.359 h1 r90; Mechanical 14 "1" at -109.206,-8.597 h1 r90; Mechanical 14 "2" at -109.206,-6.311 h1 r90; Mechanical 14 "ON" at -113.651,-9.359 h1 r90
SW4: TopOverlay "4" at -169.004,-18.067 h1; TopOverlay "3" at -171.544,-18.067 h1; TopOverlay "ON" at -177.132,-13.622 h1; TopOverlay "2" at -174.084,-18.067 h1; TopOverlay "1" at -176.37,-18.067 h1; Mechanical 14 "4" at -169.004,-18.067 h1; Mechanical 14 "3" at -171.544,-18.067 h1; Mechanical 14 "ON" at -177.132,-13.622 h1; Mechanical 14 "2" at -174.084,-18.067 h1; Mechanical 14 "1" at -176.37,-18.067 h1